# Altium PCB PCB3.PcbDoc (continued)
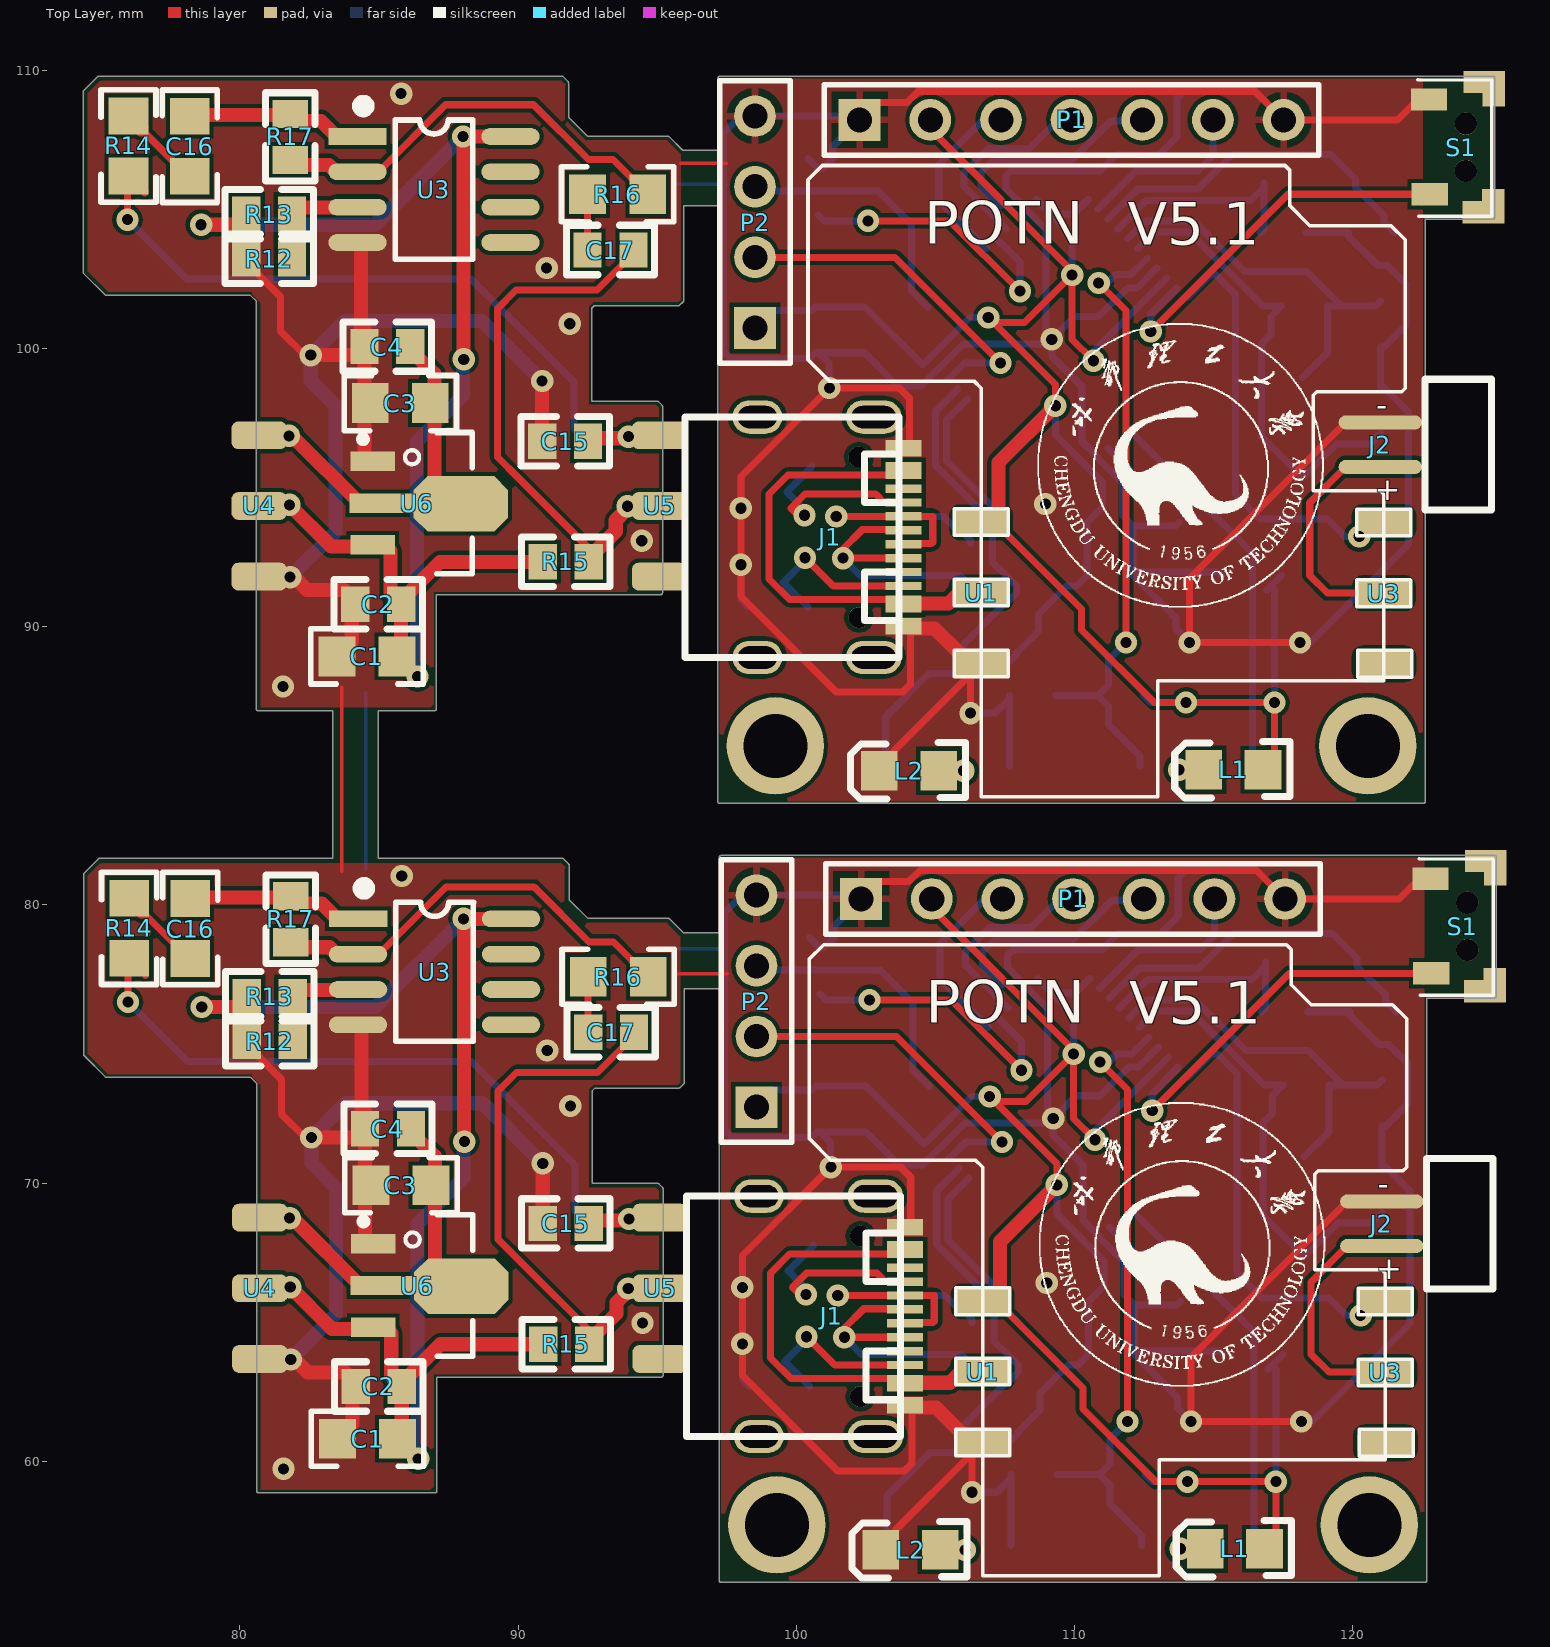
[diagram p0: Top Layer view]
## Footprints (in the part's own frame and the unit in brackets; to place one, negate y for a bottom-side part, rotate by r counter-clockwise, add the part's x,y. Pads: shape width x height; smd on the part's side, far side on the other; paste and mask are expansions set on the pad) (continued)
  silkscreen extent -4.32,-5.23 4.32,2.47, body extent -4.69,-4.77 4.25,2.13, height 3.28

## Part data
C1 C1 C3 C3: library part Cap2, "Capacitor", PackageDescription="Capacitor; 2 Leads", PackageReference=CAPR5-4X5, Published=23-Sep-2002, Publisher="Altium Limited"
C2 C2 C4 C4 C5 C5 C6 C6 C7 C7 C8 C8 C9 C9 C10 C10 C11 C11 C12 C12 C13 C13 C14 C14 C15 C15 C16 C16 C17 C17: library part Cap, "Capacitor", LatestRevisionDate=17-Jul-2002, LatestRevisionNote="Re-released for DXP Platform.", PackageDescription="Radial Cap, Thru-Hole; 2 Leads; 0.3 in Pin Spacing", PackageReference=RAD-0.3, Published=8-Jun-2000, Publisher="Altium Limited"
J2 J2: "咪头"
L1 L1 L2 L2: library part LED
P1 P1: "Header, 7-Pin", LatestRevisionDate=17-Jul-2002, LatestRevisionNote="Re-released for DXP Platform.", Publisher="Altium Limited"
P2 P2: "Header, 4-Pin", LatestRevisionDate=17-Jul-2002, LatestRevisionNote="Re-released for DXP Platform.", Publisher="Altium Limited"
R1 R1 R2 R2 R3 R3 R4 R4 R5 R5 R6 R6 R7 R7 R8 R8 R9 R9 R10 R10 R11 R11 R12 R12 R13 R13 R14 R14 R15 R15 R16 R16 R17 R17: library part Res2, "Resistor", LatestRevisionDate=17-Jul-2002, LatestRevisionNote="Re-released for DXP Platform.", PackageDescription="Axial Device, Thru-Hole; 2 Leads; 0.4 in Pin Spacing", PackageReference=AXIAL-0.4, Published=8-Jun-2000, Publisher="Altium Limited"
S1 S1: "卧式开关"
S2 S2: "Switch", LatestRevisionDate=17-Jul-2002, LatestRevisionNote="Re-released for DXP Platform.", PackageDescription="Switch; 2 Leads", PackageReference=SPST-2, Published=24-Mar-1999, Publisher="Altium Limited"
U2 U2: "STM32"
U3 U3: "音频放大"
U6 U6: "5V稳3.3V"
X1 X1 Y1 Y1: library part Y1, "晶振"

## Free pads (board coordinates)
  round 3.5 hole 2.3: 50(99.247,85.715) 50(99.3,57.712) 51(120.547,85.715) 51(120.6,57.712)

## Via types
v1: diameter 0.8, hole 0.4, Top Layer to Bottom Layer, tented both sides, 88 vias

## Nets (pads, with @x,y where several pads share a name; then routed paths per layer and width w, separated by ;. In a path a pad name is that pad's centre, name@x,y a point inside that pad or via, vN(x,y) a via of type N, cw(c..) or ccw(c..) an arc to the next point about the centre after c; other vN are vias at no path point)
3V3: C3.1 C4.2 C10.1 C11.1 C12.1 C13.1 C14.1 L1.1 P1.2 P2.1 R2.2 R3.2 R9.1 U1.1 U2.1 U2.9 U2.24 U2.36 U2.48 U4.1 U6.2 | length 191.3
  Top Layer w0.254: P2.1@98.517,100.733 P2.1@98.618,100.834 ; P2.1@98.57,72.73 P2.1@98.671,72.831 ; P1.2@104.817,108.215 104.817,107.886 109.917,102.786 v1(109.917,102.638) ; P1.2@104.87,80.212 104.87,79.883 109.97,74.783 v1(109.97,74.635) ; v1(106.899,101.114) v1@107.083,100.93 ; v1(106.952,73.111) v1@107.136,72.927 ; U1.1@107.268,94.112 106.904,93.748 107.145,93.748 110.257,90.636 110.257,89.882 112.868,87.271 v1(114.011,87.271) v1(117.186,87.271) 117.186,85.264 L1.1@116.78,84.858 ; U1.1@107.321,66.109 106.957,65.745 107.198,65.745 110.31,62.633 110.31,61.879 112.921,59.268 v1(114.064,59.268) v1(117.239,59.268) 117.239,57.261 L1.1@116.833,56.855 ; v1(109.312,97.939) 109.312,98.701 v1@107.083,100.93 ; v1(109.365,69.936) 109.365,70.698 v1@107.136,72.927 ; v1(110.686,99.559) 110.678,99.559 110.678,99.567 109.917,100.327 v1(109.917,102.638) ; v1(110.739,71.556) 110.731,71.556 110.731,71.564 109.97,72.324 v1(109.97,74.635) ; v1@107.083,100.93 108.209,100.93 v1(109.917,102.638) ; v1@107.136,72.927 108.262,72.927 v1(109.97,74.635)
  Top Layer w0.508: v1(81.768,96.858) 81.824,96.802 81.934,96.802 84.298,94.438 U6.2@85.148,94.438 ; v1(81.79,68.738) 81.846,68.682 81.956,68.682 84.32,66.318 U6.2@85.17,66.318 ; C4.2@86.128,100.068 86.128,99.941 86.981,99.088 86.996,99.088 86.996,95.159 87.742,94.413 U6.2@87.942,94.413 ; C4.2@86.15,71.948 86.15,71.821 87.003,70.968 87.018,70.968 87.018,67.039 87.764,66.293 U6.2@87.964,66.293 ; U1.1@107.268,94.112 107.268,95.895 v1(109.312,97.939) ; U1.1@107.321,66.109 107.321,67.892 v1(109.365,69.936)
  Bottom Layer w0.254: P2.1@98.517,100.733 99.14,101.356 100.537,101.356 100.676,101.495 102.327,101.495 102.454,101.495 104.527,99.422 104.558,99.422 104.733,99.597 106.25,101.114 v1(106.899,101.114) ; P2.1@98.57,72.73 99.193,73.353 100.59,73.353 100.729,73.492 102.38,73.492 102.507,73.492 104.58,71.419 104.611,71.419 104.786,71.594 106.303,73.111 v1(106.952,73.111) ; R2.2@103.216,84.818 103.216,86.763 104.765,88.312 106.786,88.312 107.193,88.719 107.636,88.719 107.915,88.998 107.915,89.049 108.169,89.303 108.702,89.836 108.702,90.451 109.714,91.462 110.074,91.462 110.455,91.843 110.455,91.97 110.455,93.621 110.455,93.748 111.009,94.302 111.009,95.195 110.496,95.708 109.312,96.892 v1(109.312,97.939) ; R2.2@103.269,56.815 103.269,58.76 104.818,60.309 106.839,60.309 107.246,60.716 107.689,60.716 107.968,60.995 107.968,61.046 108.222,61.3 108.755,61.833 108.755,62.448 109.767,63.459 110.127,63.459 110.508,63.84 110.508,63.967 110.508,65.618 110.508,65.745 111.062,66.299 111.062,67.192 110.549,67.705 109.365,68.889 v1(109.365,69.936) ; U2.48@108.622,105.36 U2.48@109.144,104.838 ; U2.48@108.675,77.357 U2.48@109.197,76.835 ; v1(109.917,102.638) 109.917,104.065 U2.48@109.144,104.838 ; v1(109.97,74.635) 109.97,76.062 U2.48@109.197,76.835 ; U2.1@110.496,105.36 109.974,104.838 109.564,104.838 U2.48@109.144,104.838 ; U2.1@110.549,77.357 110.027,76.835 109.617,76.835 U2.48@109.197,76.835 ; v1(110.686,99.559) 110.519,99.726 U2.9@113.324,102.531 ; v1(110.739,71.556) 110.572,71.723 U2.9@113.377,74.528 ; R3.2@112.487,87.525 112.741,87.271 v1(114.011,87.271) ; R3.2@112.54,59.522 112.794,59.268 v1(114.064,59.268) ; C14.1@116.907,91.31 C14.1@117.059,91.462 ; C14.1@116.96,63.307 C14.1@117.112,63.459 ; v1(117.186,87.271) 117.186,91.335 C14.1@117.059,91.462 ; v1(117.239,59.268) 117.239,63.332 C14.1@117.112,63.459 ; C14.1@117.44,91.843 C14.1@117.059,91.462 ; C14.1@117.493,63.84 C14.1@117.112,63.459
5V: C1.1 C2.2 J1.A4 J1.A9 J1.B4 J1.B9 R13.2 R15.1 U1.2 U3.8 U4.2 U6.3 | length 131
  Top Layer w0.254: U6.3@84.77,92.938 85.195,92.938 U6.3@85.418,92.715 ; U6.3@84.792,64.818 85.217,64.818 U6.3@85.44,64.595 ; C2.2@85.418,91.189 85.638,90.969 C2.2@85.799,90.808 ; C2.2@85.44,63.069 85.66,62.849 C2.2@85.821,62.688 ; C1.1@85.648,88.928 C1.1@85.799,89.079 ; C1.1@85.67,60.808 C1.1@85.821,60.959 ; J1.A4@103.851,95.762 103.851,95.462 103.837,95.448 99.709,95.448 99.025,94.764 99.025,91.716 99.765,90.976 103.837,90.976 103.851,90.962 103.851,90.662 J1.B4@104.016,90.827 ; J1.A4@103.904,67.759 103.904,67.459 103.89,67.445 99.762,67.445 99.078,66.761 99.078,63.713 99.818,62.973 103.89,62.973 103.904,62.959 103.904,62.659 J1.B4@104.069,62.824 ; U1.2@105.848,91.208 U1.2@106.645,91.208 ; U1.2@105.901,63.205 U1.2@106.698,63.205
  Top Layer w0.508: v1(78.609,104.447) 79.974,104.447 80.228,104.701 R13.2@80.228,104.828 ; v1(78.631,76.327) 79.996,76.327 80.25,76.581 R13.2@80.25,76.708 ; v1(81.788,94.378) 83.288,92.878 84.71,92.878 U6.3@84.77,92.938 ; v1(81.81,66.258) 83.31,64.758 84.732,64.758 U6.3@84.792,64.818 ; C2.2@85.418,91.189 U6.3@85.418,92.715 ; C2.2@85.44,63.069 U6.3@85.44,64.595 ; C2.2@85.638,90.969 85.832,90.969 87.192,92.328 R15.1@90.888,92.328 ; C2.2@85.66,62.849 85.854,62.849 87.214,64.208 R15.1@90.91,64.208 ; C1.1@85.799,89.079 C2.2@85.799,90.808 ; C1.1@85.821,60.959 C2.2@85.821,62.688 ; v1(88.048,99.608) 88.033,99.623 88.033,107.603 v1(88.018,107.618) U3.8@89.728,107.618 ; v1(88.07,71.488) 88.055,71.503 88.055,79.483 v1(88.04,79.498) U3.8@89.75,79.498 ; J1.B4@104.016,90.827 105.467,90.827 U1.2@105.848,91.208 ; J1.B4@104.069,62.824 105.52,62.824 U1.2@105.901,63.205
  Bottom Layer w0.508: v1(78.609,104.447) 84.847,104.447 v1(88.018,107.618) ; v1(78.631,76.327) 84.869,76.327 v1(88.04,79.498) ; v1(86.388,88.208) 86.363,88.233 86.363,96.653 88.018,98.308 88.018,99.578 v1(88.048,99.608) ; v1(86.41,60.088) 86.385,60.113 86.385,68.533 88.04,70.188 88.04,71.458 v1(88.07,71.488)
BOOT0: R4.2 U2.44 | length 21.2
  Top Layer w0.254: v1(102.581,104.587) 105.514,104.587 v1(108.042,102.059) ; v1(102.634,76.584) 105.567,76.584 v1(108.095,74.056)
  Bottom Layer w0.254: R4.2@100.803,104.797 101.013,104.587 v1(102.581,104.587) ; R4.2@100.856,76.794 101.066,76.584 v1(102.634,76.584) ; U2.44@107.208,103.946 107.208,103.933 108.042,103.099 v1(108.042,102.059) ; U2.44@107.261,75.943 107.261,75.93 108.095,75.096 v1(108.095,74.056)
GND: C1.2 C2.1 C3.2 C4.1 C5.2 C6.1 C7.2 C8.2 C9.2 C10.2 C11.2 C12.2 C13.2 C14.2 C15.2 J1.A1 J1.A12 J1.B1 J1.B12 J2.2 L2.2 P1.1 P1.7 P2.4 R4.1 R6.2 R7.2 R8.2 R12.2 S1.2 S2.2 U1.3 U2.8 U2.23 U2.35 U2.47 U3.4@84.25,75.688 U3.4@84.228,103.808 U4.3 U6.1 | length 428.9
  Top Layer w0.254: R12.2@80.228,103.218 80.228,103.091 81.468,101.851 81.468,100.608 82.318,99.758 v1(82.548,99.758) ; R12.2@80.25,75.098 80.25,74.971 81.49,73.731 81.49,72.488 82.34,71.638 v1(82.57,71.638) ; v1(81.808,91.778) v1@81.956,91.778 ; v1(81.83,63.658) v1@81.978,63.658 ; C1.2@83.489,88.928 C1.2@84.022,89.462 ; C1.2@83.511,60.808 C1.2@84.044,61.342 ; C2.1@83.767,91.316 84.148,90.935 84.148,90.808 C2.1@84.022,90.683 ; C2.1@83.789,63.196 84.17,62.815 84.17,62.688 C2.1@84.044,62.563 ; P1.1@102.277,108.215 102.9,108.838 103.984,108.838 104.391,109.244 116.488,109.244 117.517,108.215 121.609,108.215 S1.2@122.292,108.898 ; P1.1@102.33,80.212 102.953,80.835 104.037,80.835 104.444,81.241 116.541,81.241 117.57,80.212 121.662,80.212 S1.2@122.345,80.895 ; L2.2@102.987,84.818 103.521,85.352 103.521,85.544 106.212,88.235 U1.3@106.212,88.668 ; L2.2@103.04,56.815 103.574,57.349 103.574,57.541 106.265,60.232 U1.3@106.265,60.665 ; J1.B12@103.851,96.262 103.851,96.562 104.04,96.562 104.063,96.585 104.063,98.213 103.702,98.574 v1(101.189,98.574) 98.009,95.394 v1(98.009,94.256) 98.263,94.256 98.009,94.002 98.009,92.478 98.263,92.224 v1(98.009,92.224) 98.009,91.081 101.438,87.652 103.829,87.652 104.105,87.928 104.105,89.938 104.105,90.116 103.851,89.862 103.851,90.162 J1.B1@103.874,90.139 ; J1.B12@103.904,68.259 103.904,68.559 104.093,68.559 104.116,68.582 104.116,70.21 103.755,70.571 v1(101.242,70.571) 98.062,67.391 v1(98.062,66.253) 98.316,66.253 98.062,65.999 98.062,64.475 98.316,64.221 v1(98.062,64.221) 98.062,63.078 101.491,59.649 103.882,59.649 104.158,59.925 104.158,61.935 104.158,62.113 103.904,61.859 103.904,62.159 J1.B1@103.927,62.136 ; U1.3@105.848,89.06 105.848,89.032 U1.3@106.212,88.668 ; U1.3@105.901,61.057 105.901,61.029 U1.3@106.265,60.665 ; v1(106.264,86.89) 106.264,88.304 U1.3@106.628,88.668 ; v1(106.317,58.887) 106.317,60.301 U1.3@106.681,60.665 ; U1.3@106.537,88.56 U1.3@106.645,88.451 ; U1.3@106.59,60.557 U1.3@106.698,60.448 ; U1.3@106.645,88.668 U1.3@106.628,88.668 ; U1.3@106.698,60.665 U1.3@106.681,60.665 ; v1(118.102,89.43) v1(114.138,89.43) 114.138,91.734 119.746,97.342 J2.2@120.996,97.342 ; v1(118.155,61.427) v1(114.191,61.427) 114.191,63.731 119.799,69.339 J2.2@121.049,69.339 ; S1.2@122.495,108.946 S1.2@122.745,108.946 ; S1.2@122.548,80.943 S1.2@122.798,80.943 ; U1.3@106.212,88.668 U1.3@106.628,88.668 ; U1.3@106.265,60.665 U1.3@106.681,60.665
  Top Layer w0.508: v1@81.956,91.778 82.418,91.316 C2.1@83.767,91.316 ; v1@81.978,63.658 82.44,63.196 C2.1@83.789,63.196 ; v1(82.548,99.758) C4.1@84.294,99.758 ; v1(82.57,71.638) C4.1@84.316,71.638 ; C1.2@84.022,89.462 C2.1@84.022,90.683 ; C1.2@84.044,61.342 C2.1@84.044,62.563 ; C4.1@84.223,99.687 C4.1@84.294,99.758 ; U3.4@84.228,103.808 84.31,103.808 84.352,103.766 84.352,99.817 C4.1@84.294,99.758 ; C4.1@84.245,71.567 C4.1@84.316,71.638 ; U3.4@84.25,75.688 84.332,75.688 84.374,75.646 84.374,71.697 C4.1@84.316,71.638 ; C4.1@84.352,99.758 C4.1@84.294,99.758 ; C4.1@84.374,71.638 C4.1@84.316,71.638 ; C4.1@84.477,100.677 84.477,100.068 84.477,96.034 84.573,95.938 U6.1@84.77,95.938 ; C4.1@84.499,72.557 84.499,71.948 84.499,67.914 84.595,67.818 U6.1@84.792,67.818 ; C15.2@90.867,96.668 90.658,96.877 90.695,96.877 90.867,97.049 v1(90.867,98.829) ; C15.2@90.889,68.548 90.68,68.757 90.717,68.757 90.889,68.929 v1(90.889,70.709) ; J1.A12@104.105,89.938 104.97,89.938 U1.3@105.848,89.06 ; J1.A12@104.158,61.935 105.023,61.935 U1.3@105.901,61.057
  Bottom Layer w0.254: v1(98.009,92.224) 98.009,90.954 R6.2@98.263,90.7 ; v1(98.009,94.256) 98.009,95.399 R7.2@98.39,95.78 ; v1(98.062,64.221) 98.062,62.951 R6.2@98.316,62.697 ; v1(98.062,66.253) 98.062,67.396 R7.2@98.443,67.777 ; R4.1@100.422,106.829 100.803,106.448 100.93,106.448 101.311,106.829 101.311,107.249 102.277,108.215 102.139,108.353 98.517,108.353 98.279,108.115 97.757,108.115 97.374,107.731 97.374,99.9 97.636,99.638 100.47,99.638 100.676,99.844 C13.2@100.803,99.844 ; R4.1@100.475,78.826 100.856,78.445 100.983,78.445 101.364,78.826 101.364,79.246 102.33,80.212 102.192,80.35 98.57,80.35 98.332,80.112 97.81,80.112 97.427,79.728 97.427,71.897 97.689,71.635 100.523,71.635 100.729,71.841 C13.2@100.856,71.841 ; v1(101.189,98.574) 101.184,98.579 101.184,99.463 C13.2@100.803,99.844 ; v1(101.242,70.571) 101.237,70.576 101.237,71.46 C13.2@100.856,71.841 ; v1(106.264,86.89) 107.153,86.89 107.661,87.398 107.661,87.525 107.662,87.524 S2.2@107.662,84.985 ; v1(106.317,58.887) 107.206,58.887 107.714,59.395 107.714,59.522 107.715,59.521 S2.2@107.715,56.982 ; U2.8@112.971,102.885 112.958,102.885 112.251,102.178 111.905,102.178 110.869,101.142 110,101.142 v1(109.185,100.327) 109.185,100.184 109.185,99.717 110.261,98.641 110.261,96.662 110.849,96.074 110.849,96.049 111.725,95.173 111.725,94.002 C11.2@112.106,93.621 ; U2.8@113.024,74.882 113.011,74.882 112.304,74.175 111.958,74.175 110.922,73.139 110.053,73.139 v1(109.238,72.324) 109.238,72.181 109.238,71.714 110.314,70.638 110.314,68.659 110.902,68.071 110.902,68.046 111.778,67.17 111.778,65.999 C11.2@112.159,65.618 ; R8.2@113.757,93.748 113.63,93.621 C11.2@112.106,93.621 ; R8.2@113.81,65.745 113.683,65.618 C11.2@112.159,65.618 ; v1(114.138,89.43) 113.646,89.922 113.646,90.303 112.106,91.843 C10.2@112.106,91.97 ; v1(114.191,61.427) 113.699,61.919 113.699,62.3 112.159,63.84 C10.2@112.159,63.967 ; C14.2@115.281,91.843 115.154,91.97 C10.2@112.106,91.97 ; C14.2@115.334,63.84 115.207,63.967 C10.2@112.159,63.967 ; P1.7@117.517,108.215 116.363,109.369 114.059,109.369 113.678,108.988 113.678,107.603 113.031,106.956 111.495,106.956 110.912,106.373 107.715,106.373 107.534,106.192 107.534,105.753 108.269,105.019 108.269,105.006 108.269,104.994 108.982,104.281 108.982,100.158 106.013,100.158 105.099,99.243 105.087,99.243 105.074,99.243 104.486,98.655 103.643,98.655 102.454,99.844 102.327,99.844 C13.2@100.803,99.844 ; P1.7@117.57,80.212 116.416,81.366 114.112,81.366 113.731,80.985 113.731,79.6 113.084,78.953 111.548,78.953 110.965,78.37 107.768,78.37 107.587,78.189 107.587,77.75 108.322,77.016 108.322,77.003 108.322,76.991 109.035,76.278 109.035,72.155 106.066,72.155 105.152,71.24 105.14,71.24 105.127,71.24 104.539,70.652 103.696,70.652 102.507,71.841 102.38,71.841 C13.2@100.856,71.841 ; v1(118.102,89.43) 118.102,89.251 118.202,89.151 122.012,92.961 122.012,97.713 121.123,98.602 120.996,98.602 120.996,100.047 121.123,100.047 121.91,100.834 121.91,102.322 121.244,102.988 120.9,102.988 119.853,104.035 119.853,104.162 C7.2@118.329,104.162 ; v1(118.155,61.427) 118.155,61.248 118.255,61.148 122.065,64.958 122.065,69.71 121.176,70.599 121.049,70.599 121.049,72.044 121.176,72.044 121.963,72.831 121.963,74.319 121.297,74.985 120.953,74.985 119.906,76.032 119.906,76.159 C7.2@118.382,76.159 ; C10.2@112.106,91.97 C11.2@112.106,93.621 ; C10.2@112.159,63.967 C11.2@112.159,65.618
  Bottom Layer w0.508: v1(81.808,91.778) 83.438,93.408 83.438,97.948 82.548,98.838 v1(82.548,99.758) 83.778,100.988 88.708,100.988 v1(90.867,98.829) ; v1(81.83,63.658) 83.46,65.288 83.46,69.828 82.57,70.718 v1(82.57,71.638) 83.8,72.868 88.73,72.868 v1(90.889,70.709)
  other v1: 81.57,59.728 94.47,64.968 109.005,66.407 91.88,72.768 91.05,74.768 85.82,81.038 81.548,87.848 94.448,93.088 108.952,94.41 91.858,100.888 91.028,102.888 85.798,109.158
MIC+: C17.2 R15.2 U5.5 | length 36.8
  Top Layer w0.254: R15.2@92.539,92.328 R15.2@92.539,92.455 ; R15.2@92.561,64.208 R15.2@92.561,64.335 ; R15.2@92.72,92.636 90.023,95.333 89.258,96.098 89.258,101.428 89.928,102.098 92.835,102.098 94.148,103.411 C17.2@94.148,103.538 ; R15.2@92.742,64.516 90.045,67.213 89.28,67.978 89.28,73.308 89.95,73.978 92.857,73.978 94.17,75.291 C17.2@94.17,75.418
  Top Layer w0.508: R15.2@92.72,92.636 93.511,93.428 93.511,93.823 93.938,94.249 v1(93.938,94.328) ; R15.2@92.742,64.516 93.533,65.308 93.533,65.703 93.96,66.129 v1(93.96,66.208)
NetC6_2: C6.2 U2.3 Y1.1 | length 25.5
  Bottom Layer w0.254: U2.3@111.203,104.653 112.274,105.723 114.429,105.723 115.675,106.969 119.227,106.969 120.106,106.09 120.106,105.94 120.106,105.79 121.123,104.773 121.123,104.543 C6.2@121.504,104.162 ; U2.3@111.256,76.65 112.327,77.72 114.482,77.72 115.728,78.966 119.28,78.966 120.159,78.087 120.159,77.937 120.159,77.787 121.176,76.77 121.176,76.54 C6.2@121.557,76.159
NetC7_1: C7.1 U2.4 Y1.2 | length 15.4
  Bottom Layer w0.254: U2.4@111.557,104.299 112.574,105.317 116.333,105.317 Y1.2@116.806,105.79 ; U2.4@111.61,76.296 112.627,77.314 116.386,77.314 Y1.2@116.859,77.787 ; C7.1@116.678,104.162 116.806,104.29 Y1.2@116.806,105.79 ; C7.1@116.731,76.159 116.859,76.287 Y1.2@116.859,77.787 ; Y1.2@116.806,105.94 Y1.2@116.806,105.79 ; Y1.2@116.859,77.937 Y1.2@116.859,77.787
NetC8_1: C8.1 R5.2 U2.5 X1.1 | length 28.3
  Bottom Layer w0.254: U2.5@111.91,103.946 111.923,103.946 112.564,104.587 114.288,104.587 116.11,102.765 118.357,102.765 R5.2@119.599,101.523 ; U2.5@111.963,75.943 111.976,75.943 112.617,76.584 114.341,76.584 116.163,74.762 118.41,74.762 R5.2@119.652,73.52 ; X1.1@118.202,98.955 119.091,99.844 119.091,101.523 R5.2@119.599,101.523 ; X1.1@118.255,70.952 119.144,71.841 119.144,73.52 R5.2@119.652,73.52 ; C8.1@120.996,101.698 120.821,101.523 R5.2@119.599,101.523 ; C8.1@121.049,73.695 120.874,73.52 R5.2@119.652,73.52
NetC9_1: C9.1 R5.1 U2.6 X1.2 | length 33.9
  Bottom Layer w0.254: U2.6@112.264,103.592 112.276,103.592 112.865,104.181 114.119,104.181 116.777,101.523 117.44,101.523 117.059,101.142 117.059,100.507 116.723,100.171 116.723,96.834 118.102,95.455 118.202,95.455 118.302,95.455 119.417,96.57 120.615,96.57 C9.1@120.996,96.951 ; U2.6@112.317,75.589 112.329,75.589 112.918,76.178 114.172,76.178 116.83,73.52 117.493,73.52 117.112,73.139 117.112,72.504 116.776,72.168 116.776,68.831 118.155,67.452 118.255,67.452 118.355,67.452 119.47,68.567 120.668,68.567 C9.1@121.049,68.948
NetC16_1: C16.1 R14.1 | length 6.3
  Top Layer w0.254: R14.1@76.455,107.88 C16.1@78.147,106.188 ; R14.1@76.477,79.76 C16.1@78.169,78.068
  Top Layer w0.508: R14.1@75.998,108.358 76.049,108.358 76.455,107.952 R14.1@76.455,107.88 ; R14.1@76.02,80.238 76.071,80.238 76.477,79.832 R14.1@76.477,79.76 ; C16.1@78.147,106.188 C16.1@78.198,106.188 ; C16.1@78.169,78.068 C16.1@78.22,78.068
NetC16_2: C16.2 R17.1 U3.1 | length 12.7
  Top Layer w0.508: C16.2@78.198,108.347 78.238,108.388 81.848,108.388 82.062,108.174 82.922,108.174 83.478,107.618 U3.1@84.228,107.618 ; C16.2@78.22,80.227 78.26,80.268 81.87,80.268 82.084,80.054 82.944,80.054 83.5,79.498 U3.1@84.25,79.498
NetC17_1: C17.1 R16.1 | length 4
  Top Layer w0.254: C17.1@92.497,103.538 92.497,105.536 R16.1@92.499,105.538 ; C17.1@92.519,75.418 92.519,77.416 R16.1@92.521,77.418
NetJ1_A5: J1.A5 R7.1 | length 14.8
  Top Layer w0.254: v1(100.295,94.002) 100.062,94.002 99.808,94.256 100.316,94.764 102.855,94.764 103.157,94.462 J1.A5@103.851,94.462 ; v1(100.348,65.999) 100.115,65.999 99.861,66.253 100.369,66.761 102.908,66.761 103.21,66.459 J1.A5@103.904,66.459
  Bottom Layer w0.254: v1(100.295,94.002) 100.295,94.205 99.66,94.84 100.549,95.729 R7.1@100.549,95.78 ; v1(100.348,65.999) 100.348,66.202 99.713,66.837 100.602,67.726 R7.1@100.602,67.777
NetJ1_B5: J1.B5 R6.1 | length 12.9
  Top Layer w0.254: v1(100.316,92.478) 101.332,91.462 J1.B5@103.851,91.462 ; v1(100.369,64.475) 101.385,63.459 J1.B5@103.904,63.459
  Bottom Layer w0.254: v1(100.316,92.478) 100.316,92.372 99.533,91.589 R6.1@100.422,90.7 ; v1(100.369,64.475) 100.369,64.369 99.586,63.586 R6.1@100.475,62.697
NetJ2_1: J2.1 U3.5@121.123,91.208 U3.5@121.176,63.205 | length 16.6
  Top Layer w0.254: U3.5@120.788,91.208 119.091,91.208 118.456,91.843 118.456,94.452 119.746,95.742 J2.1@120.996,95.742 ; U3.5@120.841,63.205 119.144,63.205 118.509,63.84 118.509,66.449 119.799,67.739 J2.1@121.049,67.739
NetL1_2: L1.2 R1.2 | length 2.3
  Bottom Layer w0.254: v1(113.757,84.858) R1.2@114.9,84.858 ; v1(113.81,56.855) R1.2@114.953,56.855
NetL2_1: L2.1 R2.1 | length 2.3
  Bottom Layer w0.254: R2.1@104.867,84.818 v1(106.01,84.818) ; R2.1@104.92,56.815 v1(106.063,56.815)
NetR8_1: R8.1 U2.20 | length 5.1
  Bottom Layer w0.254: U2.20@111.923,97.122 111.91,97.122 111.91,97.119 113.63,95.399 R8.1@113.757,95.399 ; U2.20@111.976,69.119 111.963,69.119 111.963,69.116 113.683,67.396 R8.1@113.81,67.396
NetR12_1: R12.1 R13.1 U3.3 | length 8.1
  Top Layer w0.508: R12.1@81.879,103.218 81.879,104.828 82.111,105.061 84.21,105.061 U3.3@84.228,105.078 ; R12.1@81.901,75.098 81.901,76.708 82.133,76.941 84.232,76.941 U3.3@84.25,76.958
NetR16_2: R16.2 R17.2 U3.2 | length 30.7
  Top Layer w0.254: U3.2@84.228,106.348 84.978,106.348 87.388,108.758 90.558,108.758 92.528,106.788 93.408,106.788 R16.2@94.658,105.538 ; U3.2@84.25,78.228 85,78.228 87.41,80.638 90.58,80.638 92.55,78.668 93.43,78.668 R16.2@94.68,77.418
  Top Layer w0.508: R17.2@81.808,106.777 81.989,106.596 83.205,106.596 83.453,106.348 U3.2@84.228,106.348 ; R17.2@81.83,78.657 82.011,78.476 83.227,78.476 83.475,78.228 U3.2@84.25,78.228
NRST: C5.1 R3.1 S2.1 U2.7 | length 44.7
  Top Layer w0.254: v1(110.869,102.356) 110.869,102.351 111.852,101.368 v1(111.852,89.43) ; v1(110.922,74.353) 110.922,74.348 111.905,73.365 v1(111.905,61.427)
  Bottom Layer w0.254: C5.1@109.312,87.525 R3.1@110.836,87.525 ; C5.1@109.365,59.522 R3.1@110.889,59.522 ; v1@111.009,102.257 111.088,102.257 111.481,102.65 112.016,102.65 112.605,103.239 U2.7@112.617,103.239 ; v1@111.062,74.254 111.141,74.254 111.534,74.647 112.069,74.647 112.658,75.236 U2.7@112.67,75.236 ; v1(111.852,89.43) 111.217,88.795 111.217,87.906 R3.1@110.836,87.525 ; v1(111.905,61.427) 111.27,60.792 111.27,59.903 R3.1@110.889,59.522 ; S2.1@112.362,84.985 112.362,85.335 111.217,86.48 111.217,87.144 R3.1@110.836,87.525 ; S2.1@112.415,56.982 112.415,57.332 111.27,58.477 111.27,59.141 R3.1@110.889,59.522
PA0: S1.1 U2.10 | length 28.8
  Top Layer w0.254: v1(112.741,100.606) 117.677,105.542 122.771,105.542 S1.1@122.498,105.269 ; v1(112.794,72.603) 117.73,77.539 122.824,77.539 S1.1@122.551,77.266
  Bottom Layer w0.254: v1(112.741,100.606) 112.741,101.229 113.678,102.165 U2.10@113.678,102.178 ; v1(112.794,72.603) 112.794,73.226 113.731,74.162 U2.10@113.731,74.175
PA1: C15.1 R14.2 U2.11 U3.6@121.123,93.748 U3.6@121.176,65.745 U5.6 | length 83.2
  Top Layer w0.254: v1(75.958,104.628) 75.958,106.166 75.978,106.186 75.998,106.166 R14.2@76.446,105.718 ; v1(75.98,76.508) 75.98,78.046 76,78.066 76.02,78.046 R14.2@76.468,77.598 ; R14.2@75.998,106.008 76.288,105.718 R14.2@76.446,105.718 ; R14.2@76.02,77.888 76.31,77.598 R14.2@76.468,77.598 ; R14.2@76.582,105.582 76.582,105.666 76.498,105.666 R14.2@76.446,105.718 ; R14.2@76.604,77.462 76.604,77.546 76.52,77.546 R14.2@76.468,77.598
  Top Layer w0.508: R14.2@75.998,106.008 75.998,106.166 R14.2@75.998,106.199 ; R14.2@76.02,77.888 76.02,78.046 R14.2@76.02,78.079 ; C15.1@92.518,96.668 92.622,96.772 93.912,96.772 v1(93.968,96.828) ; C15.1@92.54,68.548 92.644,68.652 93.934,68.652 v1(93.99,68.708)
  Bottom Layer w0.254: v1(75.958,104.628) 78.098,102.488 88.312,102.488 92.018,98.783 92.018,97.128 92.318,96.828 v1(93.968,96.828) ; v1(75.98,76.508) 78.12,74.368 88.334,74.368 92.04,70.663 92.04,69.008 92.34,68.708 v1(93.99,68.708) ; U2.11@114.031,101.824 114.044,101.824 114.867,102.648 115.078,102.648 115.248,102.478 115.789,101.936 115.789,94.764 116.678,93.875 119.091,93.875 119.726,93.24 v1(120.234,93.24) ; U2.11@114.084,73.821 114.097,73.821 114.92,74.645 115.131,74.645 115.301,74.475 115.842,73.933 115.842,66.761 116.731,65.872 119.144,65.872 119.779,65.237 v1(120.287,65.237)
PB7: P1.3 U2.43 | length 13.3
  Bottom Layer w0.254: U2.43@106.854,103.592 105.121,105.325 105.121,106.615 106.721,108.215 P1.3@107.357,108.215 ; U2.43@106.907,75.589 105.174,77.322 105.174,78.612 106.774,80.212 P1.3@107.41,80.212
PB8: P1.4 U2.45 | length 14.6
  Bottom Layer w0.254: U2.45@107.561,104.299 106.035,105.825 106.035,106.319 106.902,107.186 108.386,107.186 109.177,107.977 109.659,107.977 P1.4@109.897,108.215 ; U2.45@107.614,76.296 106.088,77.822 106.088,78.316 106.955,79.183 108.439,79.183 109.23,79.974 109.712,79.974 P1.4@109.95,80.212
PB9: P1.5 U2.46 | length 16.1
  Bottom Layer w0.254: U2.46@107.348,105.119 106.645,105.823 106.645,106.321 107.103,106.779 109.917,106.779 111.306,108.168 112.39,108.168 P1.5@112.437,108.215 ; U2.46@107.401,77.116 106.698,77.82 106.698,78.318 107.156,78.776 109.97,78.776 111.359,80.165 112.443,80.165 P1.5@112.49,80.212
PB11: R1.1 U2.22 | length 29.2
  Bottom Layer w0.254: U2.22@111.203,96.415 113.006,94.612 114.432,94.612 116.399,92.645 116.399,85.01 R1.1@116.551,84.858 ; U2.22@111.256,68.412 113.059,66.609 114.485,66.609 116.452,64.642 116.452,57.007 R1.1@116.604,56.855
PC13: P1.6 U2.2 | length 12.4
  Bottom Layer w0.254: U2.2@110.849,105.006 112.216,106.373 114.439,106.373 114.977,106.911 P1.6@114.977,108.215 ; U2.2@110.902,77.003 112.269,78.37 114.492,78.37 115.03,78.908 P1.6@115.03,80.212
SWCLK: P2.3 U2.37 | length 18.8
  Bottom Layer w0.254: P2.3@98.517,105.813 98.669,105.661 102.948,105.661 104.144,104.465 104.144,102.059 U2.37@104.733,101.471 ; P2.3@98.57,77.81 98.722,77.658 103.001,77.658 104.197,76.462 104.197,74.056 U2.37@104.786,73.468
SWDIO: P2.2 U2.34 | length 26.5
  Top Layer w0.254: P2.2@98.517,103.273 103.546,103.273 v1(107.341,99.478) ; P2.2@98.57,75.27 103.599,75.27 v1(107.394,71.475)
  Bottom Layer w0.254: P2.2@98.279,103.035 98.517,103.273 P2.2@98.854,103.273 ; P2.2@98.332,75.032 98.57,75.27 P2.2@98.907,75.27 ; U2.34@105.428,98.89 105.44,98.89 105.453,98.89 106.041,99.478 v1(107.341,99.478) ; U2.34@105.481,70.887 105.493,70.887 105.506,70.887 106.094,71.475 v1(107.394,71.475)
TPYC3_DN: J1.A7 J1.B7 R11.1 | length 21.6
  Top Layer w0.254: v1(101.438,93.962) 103.851,93.962 104.907,93.962 104.907,93.026 104.866,92.985 103.874,92.985 J1.A7@103.851,92.962 ; v1(101.491,65.959) 103.904,65.959 104.96,65.959 104.96,65.023 104.919,64.982 103.927,64.982 J1.A7@103.904,64.959
  Bottom Layer w0.254: v1(101.438,93.962) 105.288,93.962 105.756,93.494 105.883,93.494 106.264,93.113 R11.1@106.264,92.986 ; v1(101.491,65.959) 105.341,65.959 105.809,65.491 105.936,65.491 106.317,65.11 R11.1@106.317,64.983
TPYC3_DP: J1.A6 J1.B6 R10.1 | length 20.2
  Top Layer w0.254: J1.B6@103.851,92.462 v1(101.676,92.462) 101.676,92.789 102.372,93.485 103.828,93.485 J1.A6@103.851,93.462 ; J1.B6@103.904,64.459 v1(101.729,64.459) 101.729,64.786 102.425,65.482 103.881,65.482 J1.A6@103.904,65.459
  Bottom Layer w0.254: v1(101.676,92.462) 102.295,91.843 105.883,91.843 106.264,91.462 R10.1@106.264,91.335 ; v1(101.729,64.459) 102.348,63.84 105.936,63.84 106.317,63.459 R10.1@106.317,63.332
USBDM: R11.2 U2.32 | length 13.1
  Bottom Layer w0.254: U2.32@106.147,98.183 106.147,98.17 105.404,97.427 105.404,95.959 107.534,93.829 107.534,93.367 R11.2@107.915,92.986 ; U2.32@106.2,70.18 106.2,70.167 105.457,69.424 105.457,67.956 107.587,65.826 107.587,65.364 R11.2@107.968,64.983
USBDP: R9.2 R10.2 U2.33 | length 23.2
  Bottom Layer w0.254: U2.33@105.794,98.536 105.794,98.524 104.998,97.728 104.998,95.79 107.051,93.737 107.051,92.311 107.291,92.072 107.305,92.072 107.915,91.462 107.915,91.335 107.915,91.208 107.534,90.827 107.483,90.827 106.01,89.354 R9.2@106.01,89.303 ; U2.33@105.847,70.533 105.847,70.521 105.051,69.725 105.051,67.787 107.104,65.734 107.104,64.308 107.344,64.069 107.358,64.069 107.968,63.459 107.968,63.332 107.968,63.205 107.587,62.824 107.536,62.824 106.063,61.351 R9.2@106.063,61.3
pads on no net: J1. J1.0 J1.A8 J1.B8 S1.3 S1.4 S1.7 S1.8 U2.12 U2.13 U2.14 U2.15 U2.16 U2.17 U2.18 U2.19 U2.21 U2.25 U2.26 U2.27 U2.28 U2.29 U2.30 U2.31 U2.38 U2.39 U2.40 U2.41 U2.42 U3.4@121.123,88.668 U3.4@121.176,60.665 U3.5@89.75,75.688 U3.5@89.728,103.808 U3.6@89.75,76.958 U3.6@89.728,105.078 U3.7 U5.4
copper on no net: | length 20.1
  Top Layer w0.127: 83.67,81.21 83.67,87.83 ; 95.73,77.52 97.52,77.52 ; 95.84,106.65 97.481,106.65
  Bottom Layer w0.127: 84.53,81.27 84.53,87.62 ; 95.59,105.91 97.49,105.91 ; 95.67,78.42 97.49,78.42

## Polygon pours and split planes (outlines as drawn)
GND on Top Layer "GND_L01_P024" (solid, remove dead copper, pour order 24): 75.027,81.48 74.967,81.48 74.527,81.04 74.527,74.63 74.547,74.63 75.267,73.91 80.447,73.91 80.447,73.82 80.747,73.52 80.747,58.97 86.937,58.97 86.967,59 86.967,63.12 95.037,63.12 95.057,63.14 95.057,69.73 94.947,69.84 92.547,69.84 92.547,73.37 92.717,73.54 95.727,73.54 95.757,73.51 95.837,73.59 95.837,78.85 95.357,79.33 95.357,79.35 92.477,79.35 92.457,79.33 91.697,80.09 91.667,80.09 91.667,81.3 91.707,81.34 91.547,81.5 74.977,81.5
GND on Top Layer "GND_L01_P012" (solid, remove dead copper, pour order 12): 75.03,109.61 74.97,109.61 74.53,109.17 74.53,102.76 74.55,102.76 75.27,102.04 80.45,102.04 80.45,101.95 80.75,101.65 80.75,87.1 86.94,87.1 86.97,87.13 86.97,91.25 95.04,91.25 95.06,91.27 95.06,97.86 94.95,97.97 92.55,97.97 92.55,101.5 92.72,101.67 95.73,101.67 95.76,101.64 95.84,101.72 95.84,106.98 95.36,107.46 95.36,107.48 92.48,107.48 92.46,107.46 91.7,108.22 91.67,108.22 91.67,109.43 91.71,109.47 91.55,109.63 74.98,109.63
GND on Top Layer "GND_L01_P008" (solid, remove dead copper, pour order 8): 97.252,83.728 122.522,83.728 122.532,83.738 122.522,83.748 122.522,109.698 97.252,109.698
GND on Top Layer "GND_L01_P032" (solid, remove dead copper, pour order 32): 97.305,55.725 122.575,55.725 122.585,55.735 122.575,55.745 122.575,81.695 97.305,81.695
GND on Bottom Layer "GND_L02_P028" (solid, remove dead copper, pour order 28): 75.11,81.505 75.05,81.505 74.61,81.065 74.61,74.655 74.63,74.655 75.35,73.935 80.53,73.935 80.53,73.845 80.83,73.545 80.83,58.995 87.02,58.995 87.05,59.025 87.05,63.145 95.12,63.145 95.14,63.165 95.14,69.755 95.03,69.865 92.63,69.865 92.63,73.395 92.8,73.565 95.81,73.565 95.84,73.535 95.92,73.615 95.92,78.875 95.44,79.355 95.44,79.375 92.56,79.375 92.54,79.355 91.78,80.115 91.75,80.115 91.75,81.325 91.79,81.365 91.63,81.525 75.06,81.525
GND on Bottom Layer "GND_L02_P014" (solid, remove dead copper, pour order 14): 75.1,109.628 75.04,109.628 74.6,109.188 74.6,102.778 74.62,102.778 75.34,102.058 80.52,102.058 80.52,101.968 80.82,101.668 80.82,87.118 87.01,87.118 87.04,87.148 87.04,91.268 95.11,91.268 95.13,91.288 95.13,97.878 95.02,97.988 92.62,97.988 92.62,101.518 92.79,101.688 95.8,101.688 95.83,101.658 95.91,101.738 95.91,106.998 95.43,107.478 95.43,107.498 92.55,107.498 92.53,107.478 91.77,108.238 91.74,108.238 91.74,109.448 91.78,109.488 91.62,109.648 75.05,109.648
GND on Bottom Layer "GND_L02_P010" (solid, remove dead copper, pour order 10): 97.262,83.738 122.522,83.738 122.522,109.688 97.262,109.688
GND on Bottom Layer "GND_L02_P034" (solid, remove dead copper, pour order 34): 97.315,55.735 122.575,55.735 122.575,81.685 97.315,81.685

## Silkscreen, mask and mechanical layers (free items; w line width, h text height)
Top Overlay:
  drawing of 6176 lines, arcs and shapes, not listed
  text "POTN" at 104.602,103.758 h1.52
  text "V5.1" at 111.912,103.728 h1.52
  text "POTN" at 104.655,75.755 h1.52
  text "V5.1" at 111.965,75.725 h1.52
Mechanical 1:
  lines w0.127: 80.65,87.046 80.65,96.901 80.65,101.727 80.396,101.981 75.189,101.981 74.427,102.743 74.427,109.22 74.935,109.728 91.572,109.728 91.75,109.55 91.75,108.28 92.461,107.569 95.382,107.569 95.89,107.061 97.247,107.061 97.247,109.715 122.547,109.715 125.047,109.715 125.047,104.715 122.59,104.715 122.547,104.672 122.547,83.715 97.247,83.715 97.247,105.183 97.24,105.19 95.92,105.19 ; 80.656,87.04 83.4,87.04 83.4,81.608 74.957,81.608 74.449,81.1 74.449,74.623 75.211,73.861 80.418,73.861 80.672,73.607 80.672,68.781 80.672,58.926 84.368,58.926 87.022,58.926 87.022,63.091 95.15,63.091 95.15,69.797 95.023,69.924 92.61,69.924 92.61,73.353 92.737,73.48 95.785,73.48 95.912,73.607 95.912,77.04 97.29,77.04 97.29,55.722 ; 84.92,86.98 84.92,81.61 91.592,81.61 ; 84.986,87.046 87,87.046 87,91.211 95.128,91.211 95.128,97.917 95.001,98.044 92.588,98.044 92.588,101.473 92.715,101.6 95.763,101.6 95.89,101.727 95.89,105.16 ; 91.594,81.608 91.772,81.43 91.772,80.16 92.483,79.449 95.404,79.449 95.912,78.941 96.84,78.941 97.288,78.941 ; 97.3,55.712 122.6,55.712 122.6,76.669 122.643,76.712 125.1,76.712 125.1,81.712 122.6,81.712 97.3,81.712 97.3,79.058 97.3,78.941

## Text inside footprints (layer, text, board x,y; h text height)
J2: Top Overlay "+" at 120.849,66.549 h0.81; Top Overlay "-" at 120.909,69.559 h0.81
J2: Top Overlay "+" at 120.796,94.552 h0.81; Top Overlay "-" at 120.856,97.562 h0.81